# Altium PCB R100.230.040.000-00 Filtr2.PcbDoc (part 1 of 2) (continued)
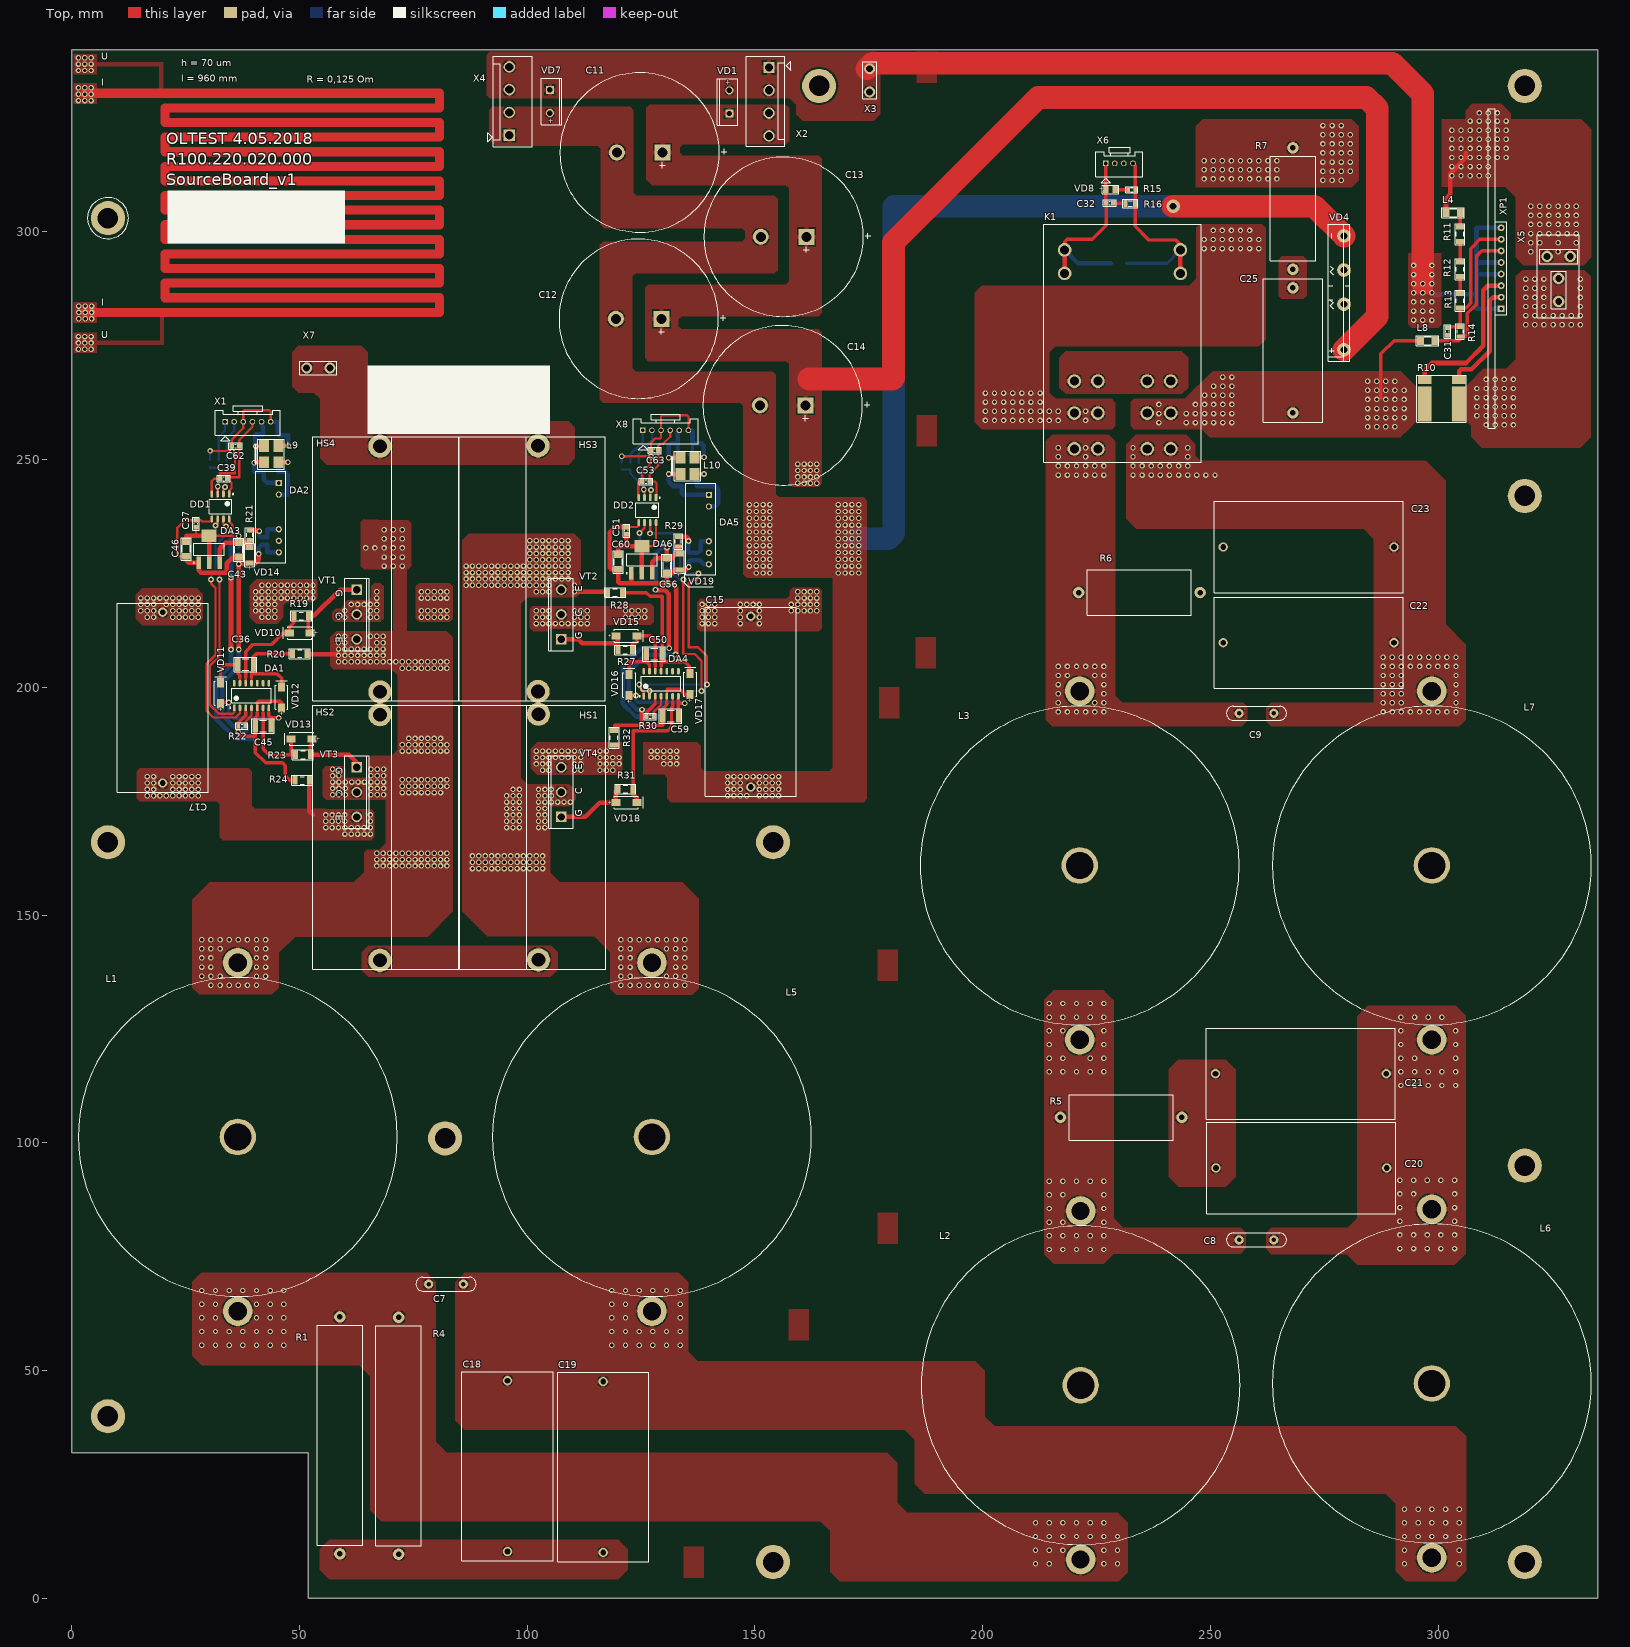
[diagram p0: Top view]
## Footprints (in the part's own frame and the unit in brackets; to place one, negate y for a bottom-side part, rotate by r counter-clockwise, add the part's x,y. Pads: shape width x height; smd on the part's side, far side on the other; paste and mask are expansions set on the pad) (continued)
MKP_W13_H24_L31.5_LS27.5 [mm]
  round 2.5 hole 1.2: 1(-13.735,0) 2(13.735,0)
  silkscreen extent -15.73,-6.5 15.77,6.5, body extent -15.76,-6.5 15.74,6.5, height 24
MKP_W20_H39.5_L41.5_LS37.5 [mil]
  round 80 hole 50: 1(0,0) 2(1476.38,0)
  silkscreen extent -79,-394 1555,394, body extent -84,-399 1560,399, height 1555
"PRW 5W 1050" [mm]
  round 2.5 hole 1.2: 1(-13.335,0) 2(13.335,0)
  silkscreen extent -11.43,-5 11.43,5, body extent -13.79,-5 13.78,5, height 10.01
"PRW 10W 2050" [mm]
  round 2.5 hole 1.2: 1(-26,0) 2(26,0)
  silkscreen extent -24.13,-5 24.13,5, body extent -24.12,-5 24.12,5, height 9
SIP7 [mm]
  rect 1.36x1.36 hole 0.8 mask+0.102: 1(0,0)
  round 1.36 hole 0.8 mask+0.102: 2(2.54,0) 5(10.16,0) 6(12.7,0) 7(15.24,0)
  silkscreen extent -2.54,-5.08 17.53,1.52, body extent -2.54,-5.08 17.53,1.52, height 10.16
SMC [mm] "Molded Diode, 2-Leads, Body 6,88x5,90mm, IPC Medium Density"
  rect 2.45x3.15 smd: 1(-2.875,0) 2(2.875,0)
  silkscreen extent -3.6,-3.15 4.67,3.15, body extent -3.79,-3.13 3.79,3.13, height 2.45
SMD_C_0603 [mm]
  rect 1x1.1 smd: 1(-0.8,0) 2(0.8,0)
  silkscreen extent -1.45,-0.7 1.45,0.7, body extent -0.9,-0.45 0.9,0.45, height 0.7
SMD_C_1206 [mm]
  rect 1.45x1.9 smd: 1(-1.6,0) 2(1.6,0)
  silkscreen extent -2.47,-1.1 2.47,1.1, body extent -1.7,-0.9 1.7,0.9, height 1.6
SMD_C_1210 [mm] "Chip Capacitor, 2-Leads, Body 3,20x2,50mm, IPC Low Density"
  rect 1.15x2.8 smd: 1(-1.725,0) 2(1.725,0)
  silkscreen extent -2.47,-1.55 2.47,1.57, body extent -1.75,-1.35 1.75,1.35, height 2.5
SMD_C_1808 [mm] "Chip Capacitor, 2-Leads, Body 4,60x2,00mm, IPC Medium Density"
  rect 1.5x2.4 smd: 1(-2.025,0) 2(2.025,0)
  silkscreen extent -0.75,-1.1 0.75,1.1, body extent -2.55,-1.1 2.55,1.1, height 2.2
SMD_C_1812 [mm] "Chip Capacitor, 2-Leads, Body 4,50x3,20mm, IPC Medium Density"
  rect 1.05x3.5 smd: 1(-2.275,0) 2(2.275,0)
  silkscreen extent -1.35,-1.65 1.35,1.65, body extent -2.45,-1.75 2.45,1.75, height 2
SMD_C_2220 [mm]
  rect 1.05x5.4 smd: 1(-2.875,0) 2(2.875,0)
  silkscreen extent -1.95,-2.6 1.95,2.6, body extent -3.05,-2.7 3.05,2.7, height 2
SMD_L_1206 [mm]
  rect 1.45x1.9 smd: 1(-1.6,0) 2(1.6,0)
  silkscreen extent -2.47,-1.07 2.45,1.1, body extent -1.7,-0.9 1.7,0.9, height 1.6
SMD_LED_LL_GREEN [mil] "Chip Diode, 2-Leads, Body 2,00x1,25mm, IPC Low Density"
  rect 47x59 smd: 1(-41,0) 2(41,0)
  silkscreen extent -72,-36 72,36, body extent -41,-27 41,27, height 31
SMD_R_0603 [mm]
  rect 0.8x1.05 smd: 1(-0.775,0) 2(0.775,0)
  silkscreen extent -1.33,-0.67 1.33,0.67, body extent -0.82,-0.48 0.82,0.48, height 0.5
SMD_R_0805 [mm]
  rect 0.9x1.5 smd: 1(-1.05,0) 2(1.05,0)
  silkscreen extent -1.68,-0.92 1.68,0.92, body extent -1.1,-0.7 1.1,0.7, height 0.5
SMD_R_1206 [mm]
  rect 1.1x1.85 smd: 1(-1.6,0) 2(1.6,0)
  silkscreen extent -2.3,-1.07 2.3,1.07, body extent -1.65,-0.87 1.65,0.87, height 0.6
SMD_R_2512 [mm]
  rect 1.23x3.33 smd: 1(-2.985,0) 2(2.985,0)
  silkscreen extent -2,-1.57 2,1.57, body extent -3.25,-1.65 3.25,1.65, height 0.6
SOD80C [mm] "MELF Diode, 2-Leads, Body 3,50x1,53mm, IPC Medium Density"
  rect 1.1x1.75 smd: 1(-1.725,0) 2(1.725,0)
  silkscreen extent -2.5,-1.12 2.5,1.12, body extent -1.85,-0.8 1.85,0.8, height 1.6
SOIC-8 [mm]
  rect 1.55x0.6 smd: 1(-2.725,1.905)
  oval 1.55x0.6 smd: 2(-2.725,0.635) 3(-2.725,-0.635) 4(-2.725,-1.905) 5(2.725,-1.905) 6(2.725,-0.635) 7(2.725,0.635) 8(2.725,1.905)
  silkscreen extent -2.85,-2.5 1.6,2.88, body extent -3,-2.5 3,2.5, height 1.75
SOIC-14(127P600X175) [mm] "SOIC, 14-Leads, Body 8,65x3,90mm, Pitch 1,27mm, IPC Medium Density"
  rect 1.45x0.6 smd: 1(-2.725,3.81)
  oval 1.45x0.6 smd: 2(-2.725,2.54) 3(-2.725,1.27) 4(-2.725,0) 5(-2.725,-1.27) 6(-2.725,-2.54) 7(-2.725,-3.81) 8(2.725,-3.81) 9(2.725,-2.54) 10(2.725,-1.27) 11(2.725,0) 12(2.725,1.27) 13(2.725,2.54) 14(2.725,3.81)
  silkscreen extent -2.85,-4.35 1.6,4.78, body extent -3,-4.35 3,4.35, height 1.75
SOT-223_M [mm] "SOT223, 4-Leads, Body 6.5x3.5mm, Pitch 2.3mm, Lead Span 7mm, IPC Low Density"
  rect 2.7x1 smd: 1(-2.95,2.3) 2(-2.95,0) 3(-2.95,-2.3)
  rect 2.7x3.3 smd: 4(2.95,0)
  silkscreen extent -3.07,-3.35 1.3,3.47, body extent -1.85,-3.35 1.85,3.35, height 1.8
T92S11 [mm]
  round 3 hole 2: 0(12.7,23.13) 1(-12.7,23.13) 2(10.58,-20.55) 3(10.58,-5.69) 4(10.58,-12.7) 6(-10.58,-20.55) 7(-10.58,-5.69) 8(-10.58,-12.7) 10(12.7,17.97) 11(-12.7,17.97) 21(5.42,-20.55) 31(5.42,-5.69) 41(5.42,-12.7) 61(-5.42,-20.55) 71(-5.42,-5.69) 81(-5.42,-12.7)
  silkscreen extent -17.3,-23.5 17.3,28.8, body extent -17.27,-23.55 17.27,28.78, height 30.75
TO220-2PINS [mm] "FM, 2-Leads, Body 10x4.4mm, Pitch 5.08mm"
  rect 1.8x1.8 hole 1.2: 1(0,2.54)
  round 1.8 hole 1.2: 2(0,-2.54)
  silkscreen extent -1.85,-5.1 2.65,5.1, body extent -1.85,-5.1 2.65,5.1, height 19.65
TO-247AC-3PINS [mm] "SIP with Mounting Hole; 3 Leads; Body 20 x 15.6 x 5 mm (typ); Pitch 5.45 mm"
  rect 2.3x2.3 hole 1.6: 1(-5.45,0)
  round 2.3 hole 1.6: 2(0,0) 3(5.45,0)
  silkscreen extent -7.95,-2.6 7.95,2.7, body extent -7.75,-3 7.75,2, height 30.5
"WSL3637 3MOM" [mm]
  rect 2.95x7.64 smd: 1(0,0) 3(7.47,0)
  rect 2.95x1.66 smd: 2(0,5.26) 4(7.47,5.26)
  silkscreen extent -1.7,-4.05 9.18,6.32, body extent -0.87,-3.45 8.27,5.95, height 0.64
XP(MEASOUTUIBOARD) [mm]
  rect 1.5x1.5 hole 0.8: 1(0,8.89)
  round 1.5 hole 0.8: 2(0,6.35) 3(0,3.81) 4(0,1.27) 5(0,-1.27) 6(0,-3.81) 7(0,-6.35) 8(0,-8.89)
  silkscreen extent -1.27,-34.98 2.8,35.06, body extent -1.27,-34.98 2.79,35.06, height 45

## Part data
C1 C5 C6 C27 C28 C30: library part "C X1Y2 4700pF SMD 2220 250Vac 10%", "SMD C2220 MURATA 250Vac 10% X7R X1Y2"
C2 C3 C26 C29: library part "C1808 1.5nF 2KV 10%", "SMD C 1808 AVX 2kV 10%  X7R"
C4 C10 C16 C24 C33: library part "C1812 0.1u 630V 10%", "SMD C 1812 MURATA 630V 10% X7R"
C7 C8 C9: library part "C X1Y2 10nF D13 LS7.5", "Ceramic D=14 LS=7.5 300VAC X1Y2"
C11 C12 C13 C14: library part "FC 470uF 20% 450V", "Aluminum Electrolytic Radial D35 H45 LS10 450V 20%"
C15 C17 C18 C19: library part "MKP1 2.2uF 10% 600VDC", "Polypropelene W20 H39.5 L41.5 LS37.5 600VDC 10%"
C20 C21 C22 C23: library part "MKP1 4.7uF 10% 400VDC", "Polypropelene W20 H39.5 L41.5 LS37.5 400VDC 10%"
C25: library part "MKP-X2 1uF 275VAC +-20% L31.5 H24 W13 LS27.5", "Polypropelene MKP-X2 L31.5 H24 W13 LS27.5"
C31 C34 C35 C48 C49: library part "C0603 100p 100V 5%", "SMD C 0603 MURATA 100V 5% NP0"
C32 C37 C38 C39 C41 C44 C47 C51 C52 C53 C57 C58 C61: library part "C0603 0.1u 50V 10%", "SMD C 0603 MURATA 50V 10% X7R"
C36 C45 C50 C59: library part "C1210 2.2u 100V 10%", "SMD C 1210 MURATA 100V 10% X7R"
C40 C42 C43 C46 C54 C55 C56 C60: library part "C1206 10u 25V 20%", "SMD C 1206 MURATA 25V 20% X5R"
C62 C63: library part "C0603 1uF 25V 10%", "SMD C 0603 MURATA 25V 10% X7R"
DA1 DA4: "Half-Bridge Driver"
DA2 DA5: "DC/DC"
DA3 DA6: "Voltage regulator 5.0V 800mA"
DD1 DD2: "Dual Channel Digital Isolator, Enhanced System-Level ESD Reliability, 2.5 KV rms Insulation Rating, 1 Mbps Data Rate, 150 ns Delay, Industrial, 8-pin SOIC (R-8), Tube"
HS1 HS2 HS3 HS4: "Heat Sink"
K1: library part T92S11D12-12, "400VAC 30A DPDT 24VDC"
L1 L5: library part "Dross 1000/250uH 30A R100.20.58.11.00", "1000/250uH 30A  (Core T250-52 X2)"
L2 L3 L6 L7: library part "Dross 500/125uH 30A АМАК.671111.034", "500/125uH 30A  (Core T250-52 X1)"
L4 L8: "600R 1.5A (100MHz)"
L9 L10: "SMD Common Mode Choke Coil 0.5A Z = 3000 Ohm / 100 MHz"
R1 R4: library part "PRW 0.47 10W +-5%", "Выводной PRW 10W 0R47 +-5%"
R2 R3 R8 R9: library part "R2512 4.7 1%", "SMD R 2512 VISHAY 1W 500V 1% 100ppm"
R5 R6: library part "PRW 0.27 5W +-5%", "Выводной PRW 5W 0R27 +-5%"
R7: library part "PRW 4.7 5W +-5%", "Выводной PRW 5W 4R7 +-5%"
R10: library part "WSL3637 3mOm 3W", "WSL3637 1mOm 3W 1% 50ppm"
R11 R12 R13: library part "R1206 30K 1%", "SMD R 1206 VISHAY 0.25W 2000V 1% 100ppm"
R14: library part "R0805 1.5K 1%", "SMD R 0805 VISHAY 0.125W 150V 1% 100ppm"
R15: library part "R0603 5K6 1%", "SMD R 0603 VISHAY 0.1W 75V 1% 100ppm"
R16: library part "R0805 300 1%", "SMD R 0805 VISHAY 0.125W 150V 1% 100ppm"
R17 R18 R25 R26: library part "R0603 100 1%", "SMD R 0603 VISHAY 0.1W 75V 1% 100ppm"
R19 R23 R27 R31: library part "R1206 6.2 1%", "SMD R 1206 VISHAY 0.25W 200V 1% 100ppm"
R20 R24 R28 R32: library part "R1206 1 1%", "SMD R 1206 VISHAY 0.25W 200V 1% 100ppm"
R21 R29: library part "R0805 49.9 1%", "SMD R 0805 VISHAY 0.125W 150V 1% 100ppm"
R22 R30: library part "R0603 0R 1%", "SMD R 0603 VISHAY 0.1W 75V 1% 100ppm"
VD1 VD7: "If=15A, Vf=1.2V Vrrm=600V Diode (TO220AB)"
VD2 VD3 VD5 VD6: "If=4A, Vf=0.76V Vrrm=200V Diode (SMC)"
VD4: "25A 600V"
VD8: "LED Green SMD"
VD9: "If=0.2A, Vf=1V Vrrm=100V Diode (SOD80C)"
VD10 VD13 VD15 VD18: "Vr=100V If=1A Ultrafast"
VD11 VD12 VD16 VD17: "Vr=1000V If=1A Ultrafast"
VD14 VD19: "0.5W Vz=16V +-5%"
VT1 VT2 VT3 VT4: "Insulated Gate Bipolar Transistor with Ultrafast Soft Recovery Diode"
X1 X8: library part 35363-0650, "Sherlock 6 Side, 2A 125V 2mm"
X2 X4: "NV 4 конт LS=5.0 10A 250V PCB"
X3 X7: "PCB, 6.3х0.8, hole"
X5: library part 63849-1x2, "DUAL TAB FASTON PCB (926522-2)"
X6: library part 35362-0450, "Sherlock 4 Top, 2A 125V 2mm"
XP1: library part Plata_MeasOutUIBoard, "to MeasOutUIBoard"

## Free pads (board coordinates)
  round 7.5 hole 4.5: 0(8,40) 0(8,166) 0(8,303) 0(82,101) 0(154,8) 0(154,166) 0(164.1,332) 0(319,8) 0(319,95) 0(319,242) 0(319,332)

## Via types
v1: diameter 1.2, hole 0.7, Top to Bottom, 1351 vias
v2: diameter 1.2/1.2 (per signal layer), hole 0.7, Top to Bottom, 133 vias
v3: diameter 1.27, hole 0.7, Top to Bottom, 40 vias
v4: diameter 3, hole 1.5, Top to Bottom, 1 vias

## Nets (pads, with @x,y where several pads share a name; then routed paths per layer and width w, separated by ;. In a path a pad name is that pad's centre, name@x,y a point inside that pad or via, vN(x,y) a via of type N, cw(c..) or ccw(c..) an arc to the next point about the centre after c; other vN are vias at no path point)
+VIN_200: C1.1 C2.2 C3.2 C4.2 C11.1 C12.1 C13.1 C14.1 C15.1 C16.2 C17.1 C24.2 C33.2 VD1.1 VD4.1 VT1.2 VT2.2 X2.3 X2.4 | length 224.9
  Top w5: 161.8,267.7 180.2,267.7 180.4,267.9 180.4,297.7 212.2,329.5 284.2,329.5 286.6,327.1 286.6,281.4 VD4.1@279.3,274.1
  other v1: 138.4,214 139.8,214 141.2,214 146.8,214 151,214 16.6,215.4 18,215.4 22.2,215.4 23.6,215.4 25,215.4 26.4,215.4 27.8,215.4 41.8,215.4 43.2,215.4 44.6,215.4 58.6,215.4 60,215.4 65.6,215.4 67,215.4 76.8,215.4 78.2,215.4 79.6,215.4 81,215.4 82.4,215.4 121.6,215.4 123,215.4 124.4,215.4 125.8,215.4 138.4,215.4 139.8,215.4 141.2,215.4 146.8,215.4 151,215.4 15.2,216.8 16.6,216.8 18,216.8 22.2,216.8 23.6,216.8 25,216.8 26.4,216.8 27.8,216.8 40.4,216.8 41.8,216.8 43.2,216.8 44.6,216.8 60,216.8 65.6,216.8 67,216.8 76.8,216.8 78.2,216.8 79.6,216.8 81,216.8 82.4,216.8 121.6,216.8 123,216.8 124.4,216.8 125.8,216.8 138.4,216.8 139.8,216.8 141.2,216.8 146.8,216.8 151,216.8 158,216.8 159.4,216.8 160.8,216.8 162.2,216.8 163.6,216.8 15.2,218.2 16.6,218.2 18,218.2 20.8,218.2 22.2,218.2 23.6,218.2 25,218.2 26.4,218.2 27.8,218.2 40.4,218.2 41.8,218.2 43.2,218.2 44.6,218.2 61.4,218.2 62.8,218.2 64.2,218.2 65.6,218.2 67,218.2 138.4,218.2 139.8,218.2 141.2,218.2 146.8,218.2 148.2,218.2 149.6,218.2 151,218.2 158,218.2 159.4,218.2 160.8,218.2 162.2,218.2 163.6,218.2 15.2,219.6 16.6,219.6 18,219.6 19.4,219.6 20.8,219.6 22.2,219.6 23.6,219.6 25,219.6 26.4,219.6 27.8,219.6 40.4,219.6 41.8,219.6 43.2,219.6 44.6,219.6 46,219.6 47.4,219.6 48.8,219.6 50.2,219.6 51.6,219.6 53,219.6 67,219.6 76.8,219.6 78.2,219.6 79.6,219.6 81,219.6 82.4,219.6 159.4,219.6 160.8,219.6 162.2,219.6 163.6,219.6 40.4,221 41.8,221 43.2,221 44.6,221 46,221 47.4,221 48.8,221 50.2,221 51.6,221 53,221 67,221 76.8,221 78.2,221 79.6,221 81,221 82.4,221 159.4,221 160.8,221 162.2,221 163.6,221 41.8,222.4 43.2,222.4 44.6,222.4 46,222.4 47.4,222.4 48.8,222.4 50.2,222.4 51.6,222.4 53,222.4 159.4,244.8 160.8,244.8 162.2,244.8 163.6,244.8 159.4,246.2 160.8,246.2 162.2,246.2 163.6,246.2 159.4,247.6 160.8,247.6 162.2,247.6 163.6,247.6 159.4,249 160.8,249 162.2,249 163.6,249
  other v2: 102,214 103.4,214 104.8,214 106.2,214 107.6,214 109,214 110.4,214 111.8,214 113.2,214 102,215.4 103.4,215.4 104.8,215.4 110.4,215.4 111.8,215.4 113.2,215.4 102,216.8 103.4,216.8 104.8,216.8 110.4,216.8 111.8,216.8 113.2,216.8
-VIN_200: C4.1 C11.2 C12.2 C13.2 C14.2 C15.2 C16.1 C17.2 C24.1 C30.1 C33.1 R8.1 R9.1 R24.2 R32.2 VD4.4 VD5.2 VD6.2 VD7.2 VT3.3 VT4.3 X4.1 X4.2 | length 190.2
  Top w1: R24.2@52.2,179.6 52.2,172.8 53,172 ; 114.6,186 115,185.6
  Top w5: v4(241.8,305.6) 272.8,305.6 VD4.4@279.3,299.1
  Bottom w5: v2@172.6,232.6 179.3,232.6 180.5,233.8 180.5,305.6 188.8,305.6 v4(241.8,305.6)
  other v1: 60,167.8 61.4,167.8 62.8,167.8 64.2,167.8 65.6,167.8 55.8,169.2 57.2,169.2 58.6,169.2 60,169.2 61.4,169.2 62.8,169.2 64.2,169.2 65.6,169.2 55.8,170.6 57.2,170.6 58.6,170.6 60,170.6 65.6,170.6 55.8,172 57.2,172 58.6,172 60,172 65.6,172 16.6,176.2 18,176.2 19.4,176.2 20.8,176.2 22.2,176.2 23.6,176.2 25,176.2 26.4,176.2 27.8,176.2 144,176.2 145.4,176.2 146.8,176.2 148.2,176.2 151,176.2 152.4,176.2 153.8,176.2 155.2,176.2 16.6,177.6 18,177.6 22.2,177.6 23.6,177.6 25,177.6 26.4,177.6 27.8,177.6 144,177.6 145.4,177.6 146.8,177.6 151,177.6 152.4,177.6 153.8,177.6 155.2,177.6 16.6,179 18,179 22.2,179 23.6,179 25,179 26.4,179 27.8,179 144,179 145.4,179 146.8,179 151,179 152.4,179 153.8,179 155.2,179 16.6,180.4 18,180.4 22.2,180.4 23.6,180.4 25,180.4 26.4,180.4 27.8,180.4 144,180.4 145.4,180.4 146.8,180.4 148.2,180.4 149.6,180.4 151,180.4 152.4,180.4 153.8,180.4 155.2,180.4 116,181.8 117.4,181.8 118.8,181.8 116,183.2 117.4,183.2 118.8,183.2 120.2,183.2 130,183.2 131.4,183.2 132.8,183.2 116,184.6 117.4,184.6 118.8,184.6 120.2,184.6 127.2,184.6 128.6,184.6 130,184.6 131.4,184.6 132.8,184.6 116,186 117.4,186 127.2,186 128.6,186 130,186 131.4,186 132.8,186
  other v2: 103.4,181.8 104.8,181.8 110.4,181.8 111.8,181.8 102,183.2 103.4,183.2 104.8,183.2 110.4,183.2 111.8,183.2 102,184.6 103.4,184.6 104.8,184.6 106.2,184.6 107.6,184.6 109,184.6 110.4,184.6 111.8,184.6 102,186 103.4,186 104.8,186 106.2,186 107.6,186 109,186 110.4,186 111.8,186 150.3,225.1 151.8,225.1 153.3,225.1 168.3,225.1 169.8,225.1 171.3,225.1 172.8,225.1 148.8,226.6 150.3,226.6 151.8,226.6 153.3,226.6 168.3,226.6 169.8,226.6 171.3,226.6 172.8,226.6 148.8,228.1 150.3,228.1 151.8,228.1 153.3,228.1 168.3,228.1 169.8,228.1 171.3,228.1 172.8,228.1 148.8,229.6 150.3,229.6 151.8,229.6 153.3,229.6 168.3,229.6 169.8,229.6 171.3,229.6 172.8,229.6 148.8,231.1 150.3,231.1 151.8,231.1 153.3,231.1 168.3,231.1 169.8,231.1 171.3,231.1 172.8,231.1 148.8,232.6 150.3,232.6 151.8,232.6 153.3,232.6 168.3,232.6 169.8,232.6 171.3,232.6 172.8,232.6 148.8,234.1 150.3,234.1 151.8,234.1 153.3,234.1 168.3,234.1 169.8,234.1 171.3,234.1 172.8,234.1 148.8,235.6 150.3,235.6 151.8,235.6 153.3,235.6 168.3,235.6 169.8,235.6 171.3,235.6 172.8,235.6 148.8,237.1 150.3,237.1 151.8,237.1 153.3,237.1 168.3,237.1 169.8,237.1 171.3,237.1 172.8,237.1 148.8,238.6 150.3,238.6 151.8,238.6 153.3,238.6 168.3,238.6 169.8,238.6 171.3,238.6 172.8,238.6 148.8,240.1 150.3,240.1 151.8,240.1 153.3,240.1 168.3,240.1 169.8,240.1 171.3,240.1 172.8,240.1
GND: C6.1 C28.2 VD1.2 VD7.1 X2.1 X2.2 X3.1 X3.2 X4.3 X4.4 XP1.1 XP1.4 XP1.5 XP1.8 | length 216.5
  Top w5: X3.1@174.6,335.8 175.8,337 289.9,337 296.6,330.3 v1(296.6,288.6)
  Bottom w1: v1(298.6,286.6) 298.9,286.3 308.1,286.3 308.4,286.6 ; 308.44,288.84 308.4,288.8 ; XP1.1@313.8,283.1 308.4,283.1 308.4,286.6 ; XP1.4@313.8,290.72 308.42,290.72 308.4,290.7 ; XP1.5@313.8,293.26 308.56,293.26 308.4,293.1 ; XP1.8@313.8,300.88 308.4,300.88 308.4,293.1 ; 308.4,286.6 308.4,288.8 ; 308.4,288.8 308.4,290.7 ; 308.4,290.7 308.4,293.1
  other v1: 294.6,280.6 296.6,280.6 298.6,280.6 294.6,282.6 296.6,282.6 298.6,282.6 294.6,284.6 296.6,284.6 298.6,284.6 294.6,286.6 296.6,286.6 294.6,288.6 298.6,288.6 294.6,290.6 298.6,290.6 294.6,292.6 298.6,292.6
GND_C1: C34.2 C35.2 C39.1 C40.1 C41.1 C62.2 DD1.4 L9.4 X1.3 X1.6 | length 56.4
  Top w0.5: v1(30.4,251.9) 35.1,251.9 v1(35.2,251.8) ; DD1.4@30.795,242.425 30.795,245.295 31.3,245.8 C39.1@32.6,245.8 32.6,247 35.9,247 35.9,250.7 35.2,251.4 v1(35.2,251.8) ; X1.6@43.708,258.3 43.708,260.492 43.4,260.8 37.9,260.8 37.7,260.6 X1.3@37.7,258.3 37.7,256.9 35.2,254.4 C62.2@35.2,253 v1(35.2,251.8)
  Top w1: L9.4@45.375,252.978 45.397,253 v1(47.6,253)
  Bottom w0.5: C35.2@30.4,249.9 v1(30.4,251.9) ; v1(35.2,251.8) 35.7,251.8 35.9,251.6 C34.2@35.9,249.9 ; C41.1@44.5,253.3 47.3,253.3 v1(47.6,253)
  Bottom w1: X1.6@43.708,258.3 45,258.3 45.3,258 C40.1@45.3,255.5 45.5,255.3 47.6,255.3 v1(47.6,253)
GND_C2: C48.2 C49.2 C53.1 C54.1 C57.1 C63.2 DD2.4 L10.4 X8.3 X8.6 | length 53.8
  Top w0.5: v3(120.775,250.725) 120.8,250.7 127.1,250.7 v3(127.2,250.6) ; DD2.4@124.495,241.625 124.415,241.705 124.415,245.015 124.6,245.2 C53.1@125.3,245.2 125.3,247.3 127.2,249.2 v3(127.2,250.6) ; X8.6@135.408,256.4 135.408,259.392 135.1,259.7 129.6,259.7 129.4,259.5 X8.3@129.4,256.4 129.4,254.8 129.2,254.6 128.1,254.6 127.2,253.7 C63.2@127.2,252 v3(127.2,250.6)
  Top w1: L10.4@136.775,250.378 136.897,250.5 v3(138.8,250.5)
  Bottom w0.5: v3(120.775,250.725) 120.775,249.425 C49.2@120.8,249.4 ; C48.2@126.5,249.4 126.5,250 127.1,250.6 v3(127.2,250.6)
  Bottom w0.75: C57.1@135.5,251.2 136.3,251.2 C54.1@136.3,253.6
  Bottom w1: X8.6@135.408,256.4 136.2,256.4 136.3,256.3 C54.1@136.3,253.6 138.2,253.6 138.8,253 v3(138.8,250.5)
GND_DR_1: C37.1 C38.2 C43.1 C44.1 C45.2 C46.1 C47.1 DA1.3 DA1.5 DA2.7 DA3.1 DD1.5 R22.1 R24.1 VD12.1 VD14.1 | length 136.6
  Top w0.5: C46.1@25.2,228.8 23.2,228.8 23.2,235 24.9,236.7 C37.1@27.3,236.7 28.4,236.7 28.705,236.395 30.784,236.395 30.795,236.406 DD1.5@30.795,236.975 ; v3(36.6,190.2) v3@36.625,190.225 ; 38.23,194.53 DA1.3@38.23,195.475 ; 40.77,194.47 DA1.5@40.77,195.475 40.77,196.47
  Top w0.75: v3(36.6,190.2) 36.6,189.7 37,189.3 40.315,189.3 ; v3@36.625,190.225 R22.1@36.625,191.5 36.625,192.225 38.23,193.83 38.23,194.53 ; 40.77,194.47 40.77,193.73 40.315,193.275 C45.2@40.315,191.5 40.315,189.3 ; 40.77,196.47 40.77,196.63 41.04,196.9 45.8,196.9 46.1,196.6 VD12.1@46.1,195.5 ; R24.1@49,179.6 47.9,179.6 46.9,180.6 46.9,182.8 46.3,183.4 42.6,183.4 40.315,185.685 40.315,189.3
  Top w1: C46.1@25.2,228.8 25.2,227.9 25.75,227.35 DA3.1@27.9,227.35 27.9,225.7 28.4,225.2 33.9,225.2 34.1,225.4 34.1,227.2 35.5,228.6 C43.1@36.7,228.6 v3(36.7,227.1) ; v3(36.7,208.3) v3(36.7,227.1) ; v1(41.1,229.3) 41.1,228 40.2,227.1 39.275,227.1 VD14.1@39.1,227.275 38.925,227.1 v3(36.7,227.1)
  Bottom w0.75: v3(36.6,190.2) 38.2,190.2 38.6,190.6 C38.2@38.6,191.5
  Bottom w1: v3(36.7,208.3) 36.7,204.6 33.065,200.965 33.065,193.935 35.535,191.465 38.565,191.465 C38.2@38.6,191.5 ; v3(36.7,227.1) C47.1@36.7,229.2 ; v1(41.1,229.3) 41.1,230.7 41.7,231.3 C44.1@43,231.3 43,229.7 43.08,229.62 DA2.7@45.5,229.62
GND_DR_2: C51.1 C52.2 C56.1 C58.1 C59.2 C60.1 C61.1 DA4.3 DA4.5 DA5.7 DA6.1 DD2.5 R30.1 R32.1 VD17.1 VD19.1 | length 127.6
  Top w0.5: C51.1@121.8,235.2 124.2,235.2 124.495,235.495 DD2.5@124.495,236.175 ; 128.13,196.43 DA4.3@128.13,198.075 ; 130.67,196.97 DA4.5@130.67,198.075 130.7,198.105 130.7,199
  Top w0.75: R32.1@119.2,190.6 119.2,191.7 125.1,191.7 129.775,191.7 C59.2@129.775,193.7 129.775,195.267 130.67,196.162 130.67,196.97 ; 125.2,193.6 126.175,193.6 126.2,193.575 R30.1@126.225,193.6 126.225,194.525 128.13,196.43 ; 130.7,199 130.7,199.6 133.5,199.6 134.7,198.4 VD17.1@135.8,198.4
  Top w1: C51.1@121.8,235.2 119.3,235.2 118.1,234 118.1,226.3 118.5,225.9 C60.1@120,225.9 120,223.1 120.3,222.8 122.9,222.8 ; DA6.1@122.9,225.05 122.9,222.8 ; 125.1,191.7 125.2,191.8 125.2,193.6 v3(125.2,195.1) ; v3(132.6,207.2) 132.569,207.231 132.7,207.361 132.7,222 131.9,222.8 v3(130.7,222.8) ; v3(135.5,226.4) 134.875,225.775 VD19.1@133.4,225.775 132.475,225.775 131.8,225.1 C56.1@130.7,225.1 v3(130.7,222.8) ; 122.9,222.8 122.935,222.835 130.665,222.835 v3(130.7,222.8)
  Bottom w0.75: v3(125.2,195.1) C52.2@127.9,195.1
  Bottom w1: v3(125.2,195.1) 124.138,195.1 122.3,196.938 122.3,203.4 126.065,207.165 132.565,207.165 v3(132.6,207.2) ; v3(130.7,222.8) C61.1@130.7,226.1 ; v3(135.5,226.4) 135.5,227.6 135.8,227.9 C58.1@136.5,227.9 137.9,227.9 138.8,227 DA5.7@139.9,227
GND_SINK: C1.2 C5.1 C27.2 C30.2 HS1.1 HS1.2 HS2.1 HS2.2 HS3.1 HS3.2 HS4.1 HS4.2 X7.1 X7.2 | length 1046.7
  Top w2: v1@2.827,282.3 v1(3,282.3) v1(4.4,282.3) 80.727,282.3 80.727,285.507 20.527,285.507 20.527,288.713 80.727,288.713 80.727,291.92 20.527,291.92 20.527,295.127 80.727,295.127 80.727,298.333 20.527,298.333 20.527,301.54 80.727,301.54 80.727,304.747 20.527,304.747 20.527,307.953 80.727,307.953 80.727,311.16 20.527,311.16 20.527,314.367 80.727,314.367 80.727,317.573 20.527,317.573 20.527,320.78 80.727,320.78 80.727,323.987 20.527,323.987 20.527,327.193 80.727,327.193 80.727,330.4 4.3,330.4 v1@2.827,330.4
  other v1: 1.5,274.2 2.9,274.2 4.3,274.2 1.5,275.6 2.9,275.6 4.3,275.6 1.5,277 2.9,277 4.3,277 1.6,280.9 3,280.9 4.4,280.9 1.6,282.3 1.6,283.7 3,283.7 4.4,283.7 1.5,328.8 2.9,328.8 4.3,328.8 1.5,330.2 2.9,330.2 4.3,330.2 1.5,331.6 2.9,331.6 4.3,331.6 1.5,335.4 2.9,335.4 4.3,335.4 1.5,336.8 2.9,336.8 4.3,336.8 1.5,338.2 2.9,338.2 4.3,338.2
HI_G1: R19.2 VD10.1 VT1.1 | length 16.9
  Top w0.75: R19.2@52,215.7 52,213 52.4,212.6 VD10.1@52.4,211.9
  Top w1: R19.2@52,215.7 53.2,215.7 58.95,221.45 VT1.1@62.6,221.45
HI_G2: R27.2 VD15.1 VT2.1 | length 16.2
  Top w1: VT2.1@107.5,210.55 107.55,210.6 111.2,210.6 112.1,209.7 119.5,209.7 119.9,209.3 ; VD15.1@119.5,211.3 119.9,210.9 119.9,209.3 ; R27.2@119.9,208.2 119.9,209.3
I_U+: R10.4 XP1.2 | length 24.4
  Top w1: R10.4@304.47,267.46 304.6,267.59 304.6,269.4 305,269.8 307.3,269.8 311.3,273.8 311.3,284.9 312.04,285.64 XP1.2@313.8,285.64
I_U-: R10.2 XP1.3 | length 33.5
  Top w1: R10.2@297,267.7 297,269.6 298.6,271.2 306.1,271.2 309.9,275 309.9,287.2 310.88,288.18 XP1.3@313.8,288.18
LOW_G3: R23.2 VD13.1 VT3.1 | length 15.6
  Top w0.75: R23.2@52.4,185.2 52.4,187.3 52.8,187.7 VD13.1@52.8,188.7
  Top w1: R23.2@52.4,185.2 60.9,185.2 62.6,183.5 VT3.1@62.6,182.45
LOW_G4: R31.2 VD18.1 VT4.1 | length 16.5
  Top w1: VT4.1@107.5,171.55 112.75,171.55 115.9,174.7 VD18.1@119.5,174.7 119.5,177.2 R31.2@120,177.7
N1: C3.1 R2.2 VD2.1
N2: C29.1 R8.2 VD6.1
N3: C2.1 R3.2 VD3.1
N4: C26.1 R9.2 VD5.1
N5: C18.1 C19.2 R1.1 R4.1
N6: C20.2 C21.2 R5.1
N7: C22.2 C23.2 R6.1
N8: K1.3 K1.7 K1.31 K1.71
N9: C25.2 R7.1
N10: L4.2 R11.2 | length 3.1
  Top w0.75: R11.2@304.8,301.1 304.8,304.1 L4.2@304.9,304.2
N11: R11.1 R12.2 | length 4.5
  Top w0.75: R12.2@304.8,293.4 R11.1@304.8,297.9
N12: R12.1 R13.2 | length 3.7
  Top w0.75: R13.2@304.8,286.5 R12.1@304.8,290.2
NetC32_1: C32.1 R16.2 | length 2.7
  Top w0.75: C32.1@228.7,306.3 231.25,306.3 R16.2@231.35,306.2
NetC34_1: C34.1 DD1.2 R17.2 | length 7.9
  Top w0.5: DD1.2@33.335,242.425 33.335,243.635 v3(33.7,244)
  Bottom w0.5: v3(33.7,244) 34.1,244.4 R17.2@34.1,248.225 35.825,248.225 C34.1@35.9,248.3
NetC35_1: C35.1 DD1.3 R18.2 | length 7.8
  Top w0.5: DD1.3@32.065,242.425 32.065,244.065 v3(32.1,244.1)
  Bottom w0.5: C35.1@30.4,248.3 30.475,248.225 R18.2@32.3,248.225 32.3,244.3 v3(32.1,244.1)
NetC36_1: C36.1 DA1.13 VD11.2 | length 11.6
  Top w0.5: DA1.13@36.9,200.985 DA1.13@36.96,200.925 36.96,202.06
  Top w0.75: VD11.2@32.7,201 32.7,204.1 33.6,205 C36.1@36.475,205 36.475,203.145 36.96,202.66 36.96,202.06
NetC36_2: C36.2 DA1.11 R20.1 VD12.2 | length 23.7
  Top w0.5: DA1.11@39.5,200.925 39.5,202.1
  Top w0.75: 39.5,202.1 39.5,203 ; VD12.2@46.1,200.1 46.1,202 45.1,203 39.5,203 ; R20.1@48.5,207.4 40.6,207.4 39.925,206.725 C36.2@39.925,205 39.925,203.425 39.5,203
NetC42_1: C42.1 DA2.2 L9.3 | length 15.1
  Top w1: L9.3@45.375,249.422 45.397,249.4 v1(47.5,249.4)
  Bottom w1: DA2.2@45.5,242.32 47.5,242.32 47.5,246.7 46.9,247.3 C42.1@45.4,247.3 45.4,249.397 45.403,249.4 v1(47.5,249.4)
NetC42_2: C42.2 DA2.1 L9.2 | length 11.6
  Top w1: v1(40.1,249.3) 40.222,249.422 L9.2@42.225,249.422
  Bottom w1: v1(40.1,249.3) 40.1,247.3 C42.2@42.2,247.3 42.2,245.6 42.9,244.9 45.46,244.9 DA2.1@45.5,244.86
NetC44_2: C44.2 DA2.5 R21.1 | length 9.4
  Top w1: R21.1@39.1,234.45 40.65,234.45 40.8,234.3 v1(41.2,234.3)
  Bottom w1: v1(41.2,234.3) 41.2,233.3 41.6,232.9 C44.2@43,232.9 43,234.7 DA2.5@45.5,234.7
NetC48_1: C48.1 DD2.2 R25.2 | length 9.3
  Top w0.5: DD2.2@127.035,241.625 127.035,243.135 v3(127.2,243.3)
  Bottom w0.5: C48.1@126.5,247.8 124.575,247.8 R25.2@124.5,247.725 124.5,247 127.2,244.3 v3(127.2,243.3)
NetC49_1: C49.1 DD2.3 R26.2 | length 9.3
  Top w0.5: v3(125.6,243.4) 125.765,243.235 DD2.3@125.765,241.625
  Bottom w0.5: C49.1@120.8,247.8 122.625,247.8 R26.2@122.7,247.725 122.7,246.9 125.6,244 v3(125.6,243.4)
NetC50_1: C50.1 DA4.13 VD16.2 | length 9
  Top w0.5: DA4.13@126.86,203.525 126.86,204.56
  Top w0.75: VD16.2@122.4,202.8 122.4,205.6 126.13,205.6 126.175,205.645 126.86,204.96 126.86,204.56
NetC50_2: C50.2 DA4.11 R28.1 VD17.2 | length 33.7
  Top w0.5: DA4.11@129.4,203.525 129.4,204.7
  Top w0.75: R28.1@120.9,220.8 126.2,220.8 127,220 129.625,220 C50.2@129.625,207.3 129.625,205.625 ; 129.4,204.7 129.4,205.4 129.625,205.625 ; VD17.2@135.8,203 135.6,203.2 135.6,204.6 134.575,205.625 129.625,205.625
NetC55_1: C55.1 DA5.2 L10.3 | length 16.5
  Top w1: L10.3@136.775,246.822 138.778,246.822 v3(138.8,246.8)
  Bottom w1: v3(138.8,246.8) 137.7,246.8 137.2,246.3 C55.1@137.2,244.2 141.3,244.2 142,243.5 142,240.4 141.3,239.7 DA5.2@139.9,239.7
NetC55_2: C55.2 DA5.1 L10.2 | length 15.2
  Top w1: v3(131.1,246.8) 131.122,246.822 L10.2@133.625,246.822
  Bottom w1: v3(131.1,246.8) 131.1,245.1 132,244.2 C55.2@134,244.2 134,242.48 134.24,242.24 DA5.1@139.9,242.24